# Altium PCB Nuio_Left_Keyboard_Rev_G.PcbDoc (part 1 of 3)
Units mil, origin at the board's own origin, x right, y up, seen from the top; angles counter-clockwise.
Board outline 3504.15 x 969.68 mil, 4 copper layers (Top Layer, GND1, GND2, Bottom Layer), stack 37.04 mil thick; 153 components, 101 nets, 597 pads, 397 vias.
Unrouted connection lines stored in the file: 1.
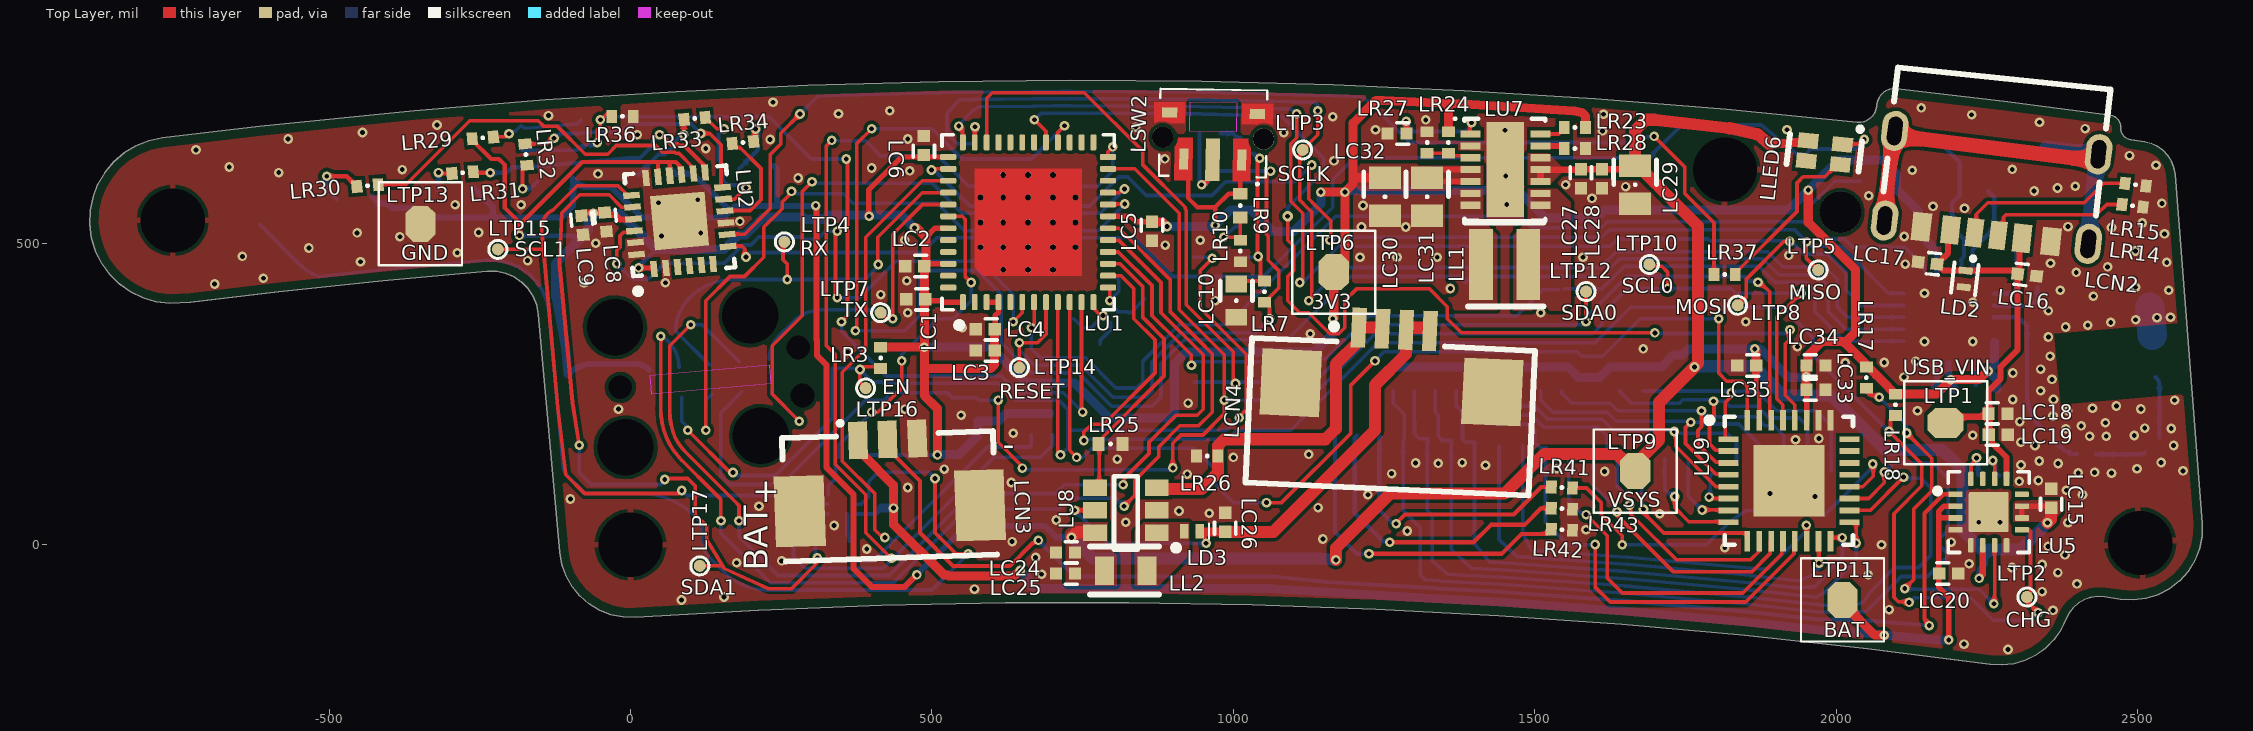
[diagram p0: Top Layer view]
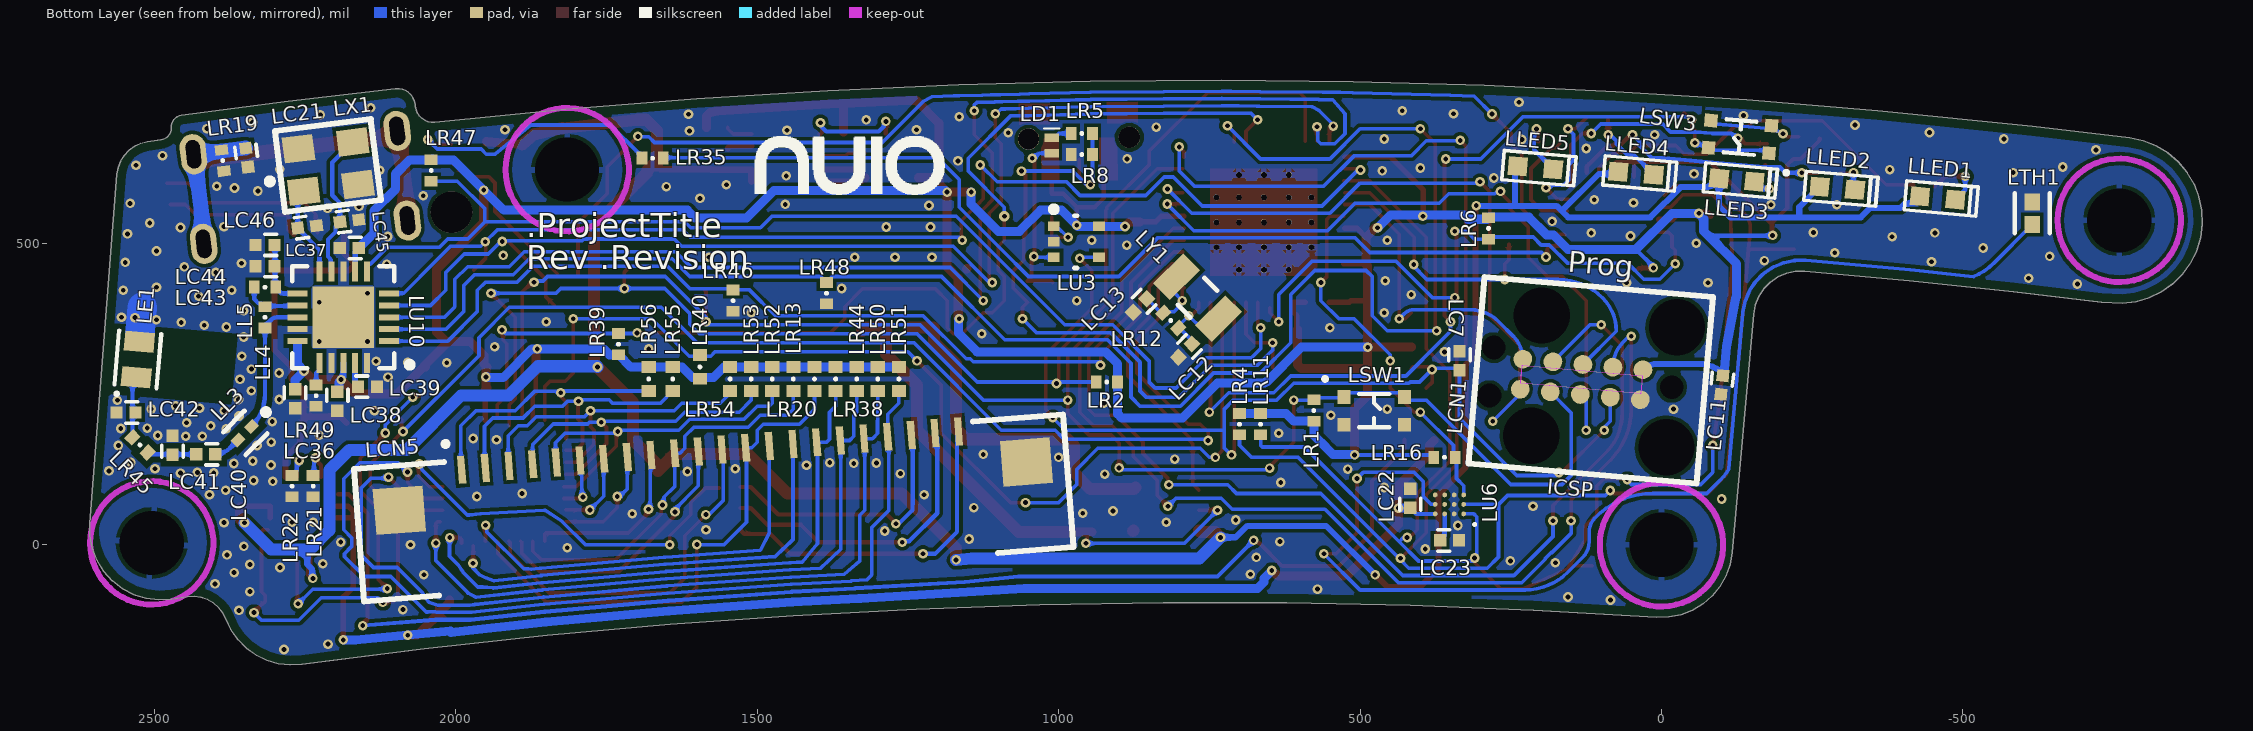
[diagram p1: Bottom Layer view, seen from below]
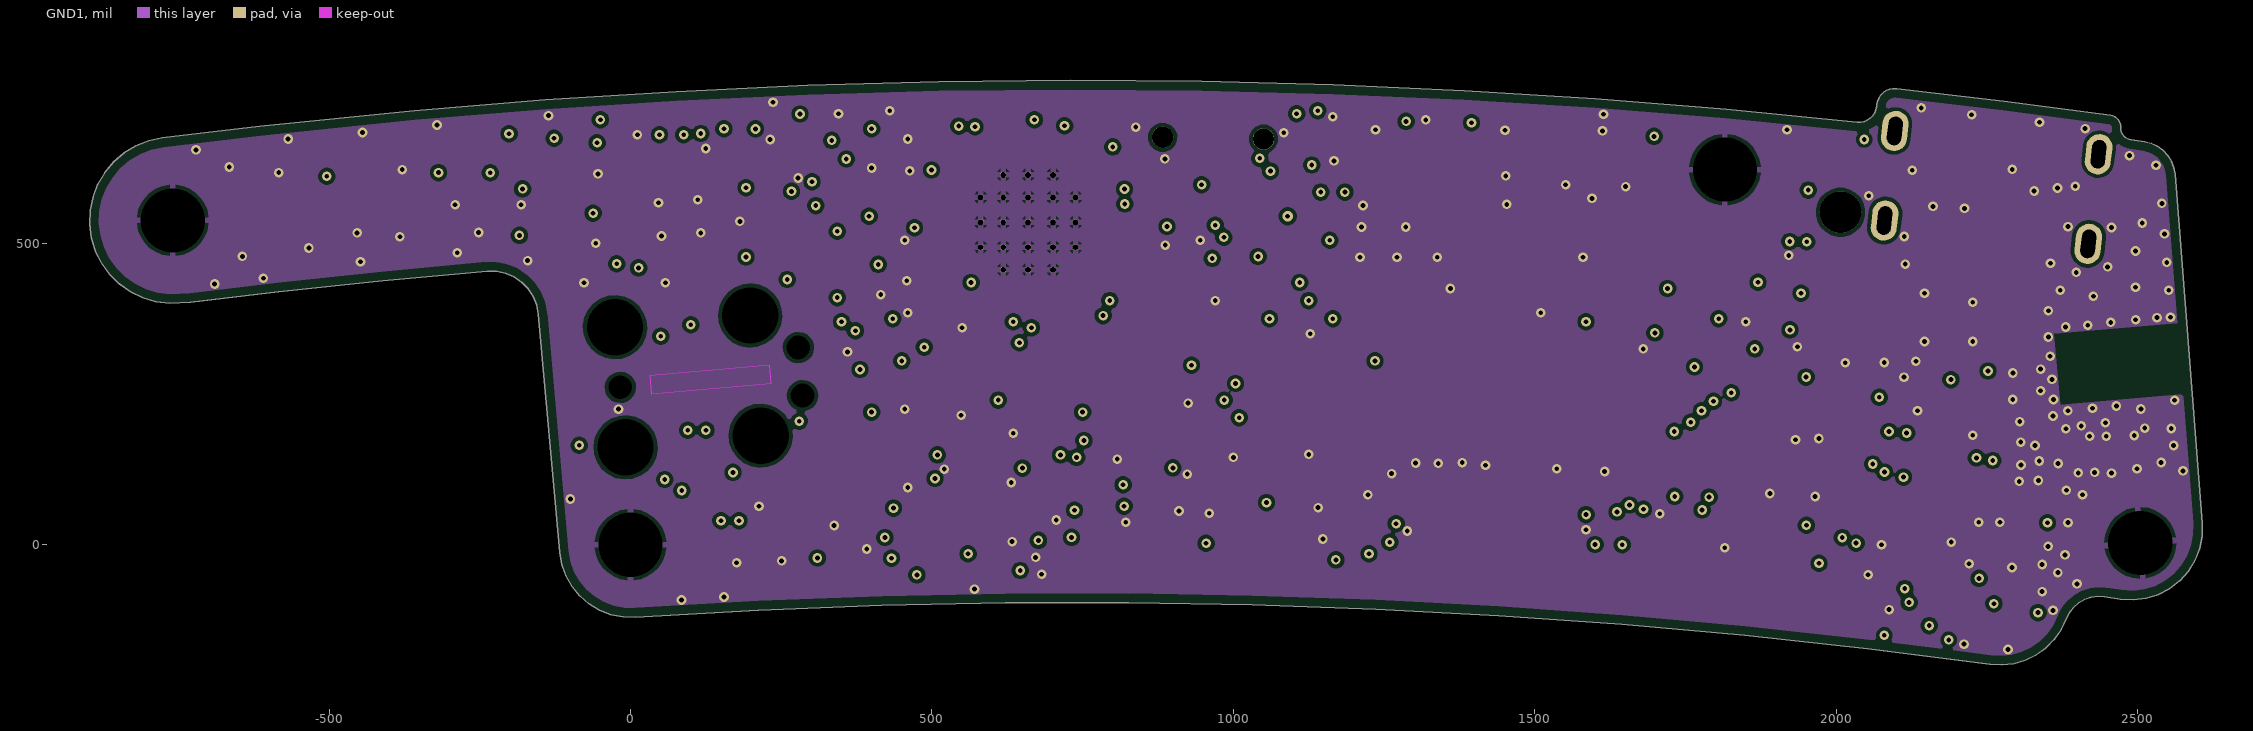
[diagram p2: GND1]
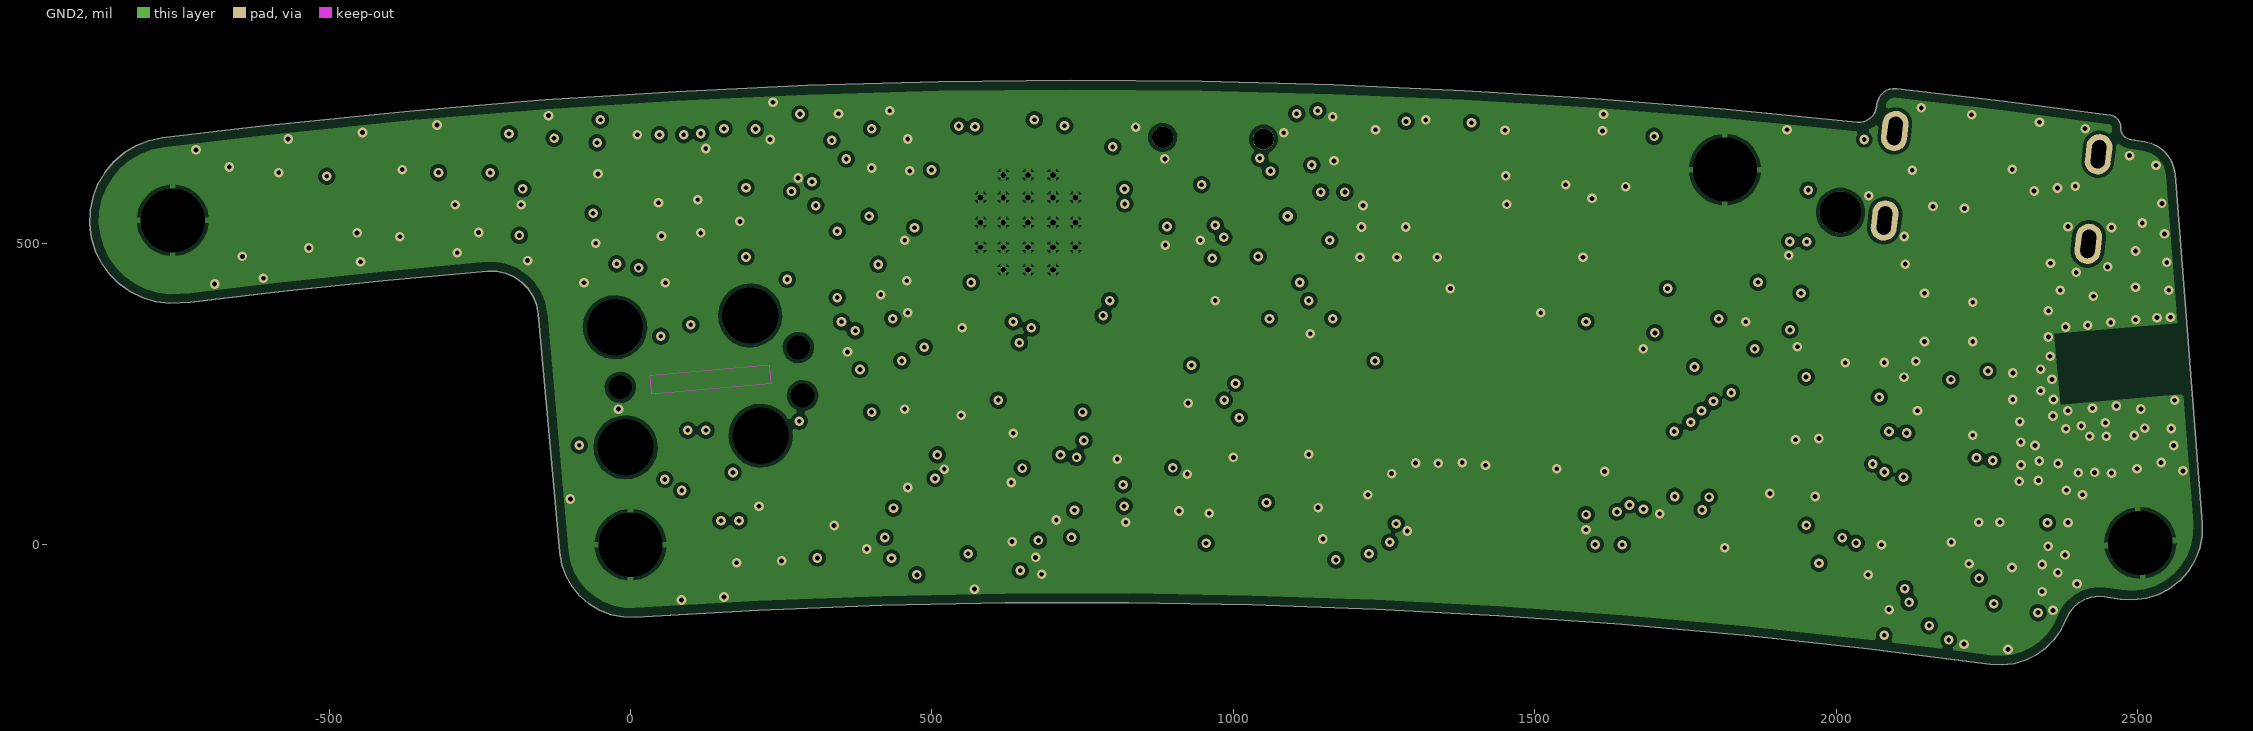
[diagram p3: GND2]

## Layer stack, top to bottom
Top Solder: solder mask 0.6, Solder Resist, Dk 3.8
Top Layer: signal copper 1.8
Dielectric 2: prepreg 4.12, 370HR - 106_76%, Dk 3.69
GND1: signal copper 0.6
Dielectric 1: dielectric 24, Core, Dk 4.6
GND2: signal copper 0.6
Dielectric 3: prepreg 4.12, 370HR - 106_76%, Dk 3.69
Bottom Layer: signal copper 1.8
Bottom Solder: solder mask 0.6, Solder Resist, Dk 3.8

## Board outline
-764.55,400.54 -729.91,402.09 -583.94,419.76 -410.94,438.07 -237.68,453.86 -222.32,453.62 -207.28,450.39 -193.15,444.33 -180.47,435.63 -169.72,424.65 -161.3,411.77 -155.55,397.48 -152.72,382.36 -117.44,-12.64 -113.94,-32.6 -107.01,-51.69 -96.97,-69.29 -84.06,-84.92 -68.62,-98.11 -51.18,-108.46 -32.24,-115.71 -12.32,-119.57 7.95,-120 212.36,-108.43 416.97,-100.55 621.69,-96.46 826.46,-96.1 1031.18,-99.49 1235.83,-106.65 1440.28,-117.52 1644.53,-132.13 1848.46,-150.47 2052.01,-172.56 2255.16,-198.35 2274.92,-199.37 2294.57,-197.05 2313.54,-191.49 2331.38,-182.87 2347.48,-171.38 2361.46,-157.36 2372.87,-141.22 2381.46,-123.38 2386.54,-113.15 2393.5,-104.09 2402.09,-96.53 2411.97,-90.75 2422.76,-87.01 2434.06,-85.43 2445.47,-86.02 2471.42,-90 2492.64,-91.3 2513.74,-88.82 2534.06,-82.6 2552.91,-72.83 2569.72,-59.84 2583.94,-44.05 2595.08,-25.98 2602.83,-6.18 2606.89,14.69 2607.16,35.91 2562.09,614.49 2560.12,625.67 2556.06,636.3 2550.04,645.91 2542.28,654.21 2533.07,660.87 2522.76,665.63 2511.69,668.35 2488.98,671.65 2485.47,672.48 2482.16,673.94 2479.17,675.99 2476.65,678.54 2474.61,681.5 2473.11,684.8 2472.28,688.31 2472.09,691.93 2471.93,695.55 2471.06,699.06 2469.61,702.36 2467.56,705.36 2465,707.88 2462.01,709.92 2458.7,711.38 2455.16,712.21 2277.8,735.79 2100.12,756.69 2094.33,756.73 2088.66,755.71 2083.31,753.54 2078.46,750.43 2074.33,746.38 2071.06,741.65 2068.74,736.34 2067.56,730.71 2067.13,727.01 2065.9,721.38 2063.62,716.1 2060.35,711.34 2056.22,707.32 2051.42,704.17 2046.06,702.05 2040.39,700.99 2034.61,701.02 1817.76,722.4 1600.55,739.84 1383.03,753.39 1165.31,762.95 947.48,768.62 729.57,770.32 511.65,768.11 293.82,761.97 76.14,751.85 -141.34,737.83 -358.54,719.88 -615.08,694 -776.87,674.91 -799.11,670.15 -820.29,661.8 -839.82,650.11 -857.11,635.31 -871.75,617.9 -883.37,598.3 -891.55,577.08 -896.12,554.79 -896.99,532.04 -894.11,509.48 -887.54,487.67 -877.46,467.27 -864.15,448.81 -848.01,432.79 -829.43,419.6 -808.96,409.68 -787.14,403.26

## Design rules (kind name [scope] priority, off if disabled: settings)
BoardOutlineClearance SilkScreenException [OnLayer('Top Overlay') + OnLayer('Bottom Overlay')] p1: gap=0 ignorepadtopadclearanceinfootprint=FALSE
BoardOutlineClearance [All] p2: gap=15 ignorepadtopadclearanceinfootprint=FALSE
Clearance PlugOfNailsException [HasFootprint('TC2050-IDC') vs OnLayer('Keep-Out Layer')] p1: gap=0 ignorepadtopadclearanceinfootprint=FALSE
Clearance AntennaClearance [InNetClass('S50') vs InNet('GND')] p2: gap=10 ignorepadtopadclearanceinfootprint=TRUE
Clearance [All] p3: gap=6 ignorepadtopadclearanceinfootprint=FALSE
ComponentClearance TestPointException [HasFootprint('Pogo-Testpoint')] p1: gap=0 collisioncheckmode=3 verticalgap=0 showdistances=FALSE
ComponentClearance ProgrammingHeaderException [HasFootprint('TC2050-IDC')] p2: gap=0 collisioncheckmode=3 verticalgap=0 showdistances=FALSE
ComponentClearance [All] p3: gap=4 collisioncheckmode=3 verticalgap=4 showdistances=FALSE
HoleSize [All] p1: absolutevalues=TRUE maxlimit=500 minlimit=1 maxpercent=80.000 minpercent=20.000
MinimumSolderMaskSliver [All] p1: minsoldermaskwidth=0
PolygonConnect GNDPolygons [InNet('GND')] p1: thpad.connectstyle=Relief thpad.reliefconductorwidth=10 thpad.reliefentries=4 thpad.polygonreliefangle="90 Angle" thpad.airgapwidth=6 smdpad.connectstyle=Direct smdpad.reliefconductorwidth=10 smdpad.reliefentries=4 smdpad.polygonreliefangle="90 Angle" smdpad.airgapwidth=10 via.connectstyle=Direct via.reliefconductorwidth=10 via.reliefentries=4 via.polygonreliefangle="90 Angle" via.airgapwidth=10
PolygonConnect PowerPolygons [InNetClass('power')] p2: connectstyle=Direct reliefconductorwidth=10 reliefentries=4 polygonreliefangle="90 Angle" airgapwidth=6
PolygonConnect [All] p3: thpad.connectstyle=Relief thpad.reliefconductorwidth=10 thpad.reliefentries=4 thpad.polygonreliefangle="90 Angle" thpad.airgapwidth=6 smdpad.connectstyle=Relief smdpad.reliefconductorwidth=10 smdpad.reliefentries=4 smdpad.polygonreliefangle="90 Angle" smdpad.airgapwidth=6 via.connectstyle=Direct via.reliefconductorwidth=10 via.reliefentries=4 via.polygonreliefangle="90 Angle" via.airgapwidth=10
ReturnPath [InNetClass('S50')] p1: impedanceprofileid={2F5DB331-C327-4743-8B4D-01656176F6E6} _gaplimit=0
RoutingVias [All] p1: holewidth=8 width=16 viastyle="Through Hole" minholewidth=8 minwidth=16 maxholewidth=28 maxwidth=50
SilkToSilkClearance TestPointExceptionSilk [HasFootprint('Pogo-Testpoint')] p1: silktosilkclearance=0
SilkToSilkClearance USBCExceptionSilk [HasFootprint('USB-TYPE-C AMPHENOL 12401598E4#2A')] p2: silktosilkclearance=0
SilkToSilkClearance PogoExceptionSilk [HasFootprint('TC2050-IDC')] p3: silktosilkclearance=0
SilkToSilkClearance [All] p4: silktosilkclearance=1
SilkToSolderMaskClearance TestPointExceptionMask [HasFootprint('Pogo-Testpoint')] p1: minsilkscreentomaskgap=0 clearancetoexposedcopper=TRUE
SilkToSolderMaskClearance USBCExceptionMask [HasFootprint('USB-TYPE-C AMPHENOL 12401598E4#2A')] p2: minsilkscreentomaskgap=0 clearancetoexposedcopper=TRUE
SilkToSolderMaskClearance PogoExceptionSolder [HasFootprint('TC2050-IDC')] p3: minsilkscreentomaskgap=0 clearancetoexposedcopper=TRUE
SilkToSolderMaskClearance [IsPad] p4: minsilkscreentomaskgap=1 clearancetoexposedcopper=TRUE
SolderMaskExpansion [All] p1: expansion=2 istentingtop=FALSE
SupplyNets "Schematic Supply Nets_4" [InNet('USB_VIN')] p1: voltage=0.000
SupplyNets "Schematic Supply Nets_3" [InNet('GND')] p2: voltage=0.000
SupplyNets "Schematic Supply Nets_2" [InNet('3V3')] p3: voltage=0.000
SupplyNets "Schematic Supply Nets_1" [InNet('VSYS')] p4: voltage=0.000
SupplyNets "Schematic Supply Nets" [InNet('VBAT')] p5: voltage=0.000
UnRoutedNet [All] p1: checkbadconnections=TRUE
ViasUnderSMD [All] p1: allowed=FALSE
Width S50 [InNetClass('S50')] p1: maxlimit=15.22 minlimit=6 preferedwidth=15.22 bottomlayer_minwidth=7 bottomlayer_maxwidth=7 bottomlayer_prefwidth=7 impedanceprofiledriven=TRUE impedanceprofileid={2F5DB331-C327-4743-8B4D-01656176F6E6} impedanceprofilevalue=50.000000 minimp=50.000000 maximp=50.000000 favimp=50.000000
Width [All] p2: maxlimit=78.74 minlimit=6 preferedwidth=7
24 further rules are at their usual default settings.

## Classes and differential pairs
component class Nuio_Left_Keyboard_Rev_G_KeyboardNRF: LC33 LC34 LC35 LC36 LC37 LC38 LC39 LC40 LC41 LC42 LC43 LC44 LC45 LC46 LCN5 LE1 LL3 LL4 LL5 LR13 LR20 LR38 LR39 LR40 LR41 LR42 LR43 LR44 LR45 LR46 LR47 LR48 LR49 LR50 LR51 LR52 LR53 LR54 LR55 LR56 LU9 LU10 LX1
component class Nuio_Left_Keyboard_Rev_G_UI: LLED1 LLED2 LLED3 LLED4 LLED5 LLED6 LR29 LR30 LR31 LR32 LR33 LR34 LR35 LR36 LR37 LSW3
component class Nuio_Left_Keyboard_Rev_G_Power: LC15 LC16 LC17 LC18 LC19 LC20 LC21 LC22 LC23 LC24 LC25 LC26 LC27 LC28 LC29 LC30 LC31 LC32 LCN2 LCN3 LCN4 LD2 LD3 LL1 LL2 LR14 LR15 LR16 LR17 LR18 LR19 LR21 LR22 LR23 LR24 LR25 LR26 LR27 LR28 LTH1 LU5 LU6 LU7 LU8
component class Nuio_Left_Keyboard_Rev_G_MCU: LC1 LC2 LC3 LC4 LC5 LC6 LC7 LC8 LC9 LC10 LC11 LC12 LC13 LCN1 LD1 LR1 LR2 LR3 LR4 LR5 LR6 LR7 LR8 LR9 LR10 LR11 LR12 LSW1 LSW2 LTP1 LTP2 LTP3 LTP4 LTP5 LTP6 LTP7 LTP8 LTP9 LTP10 LTP11 LTP12 LTP13 LTP14 LTP15 LTP16 LTP17 LU1 LU2 LU3 LY1
net class power: 3V3 NetLC26_1 NetLCN4_1 NetLD3_2 NetLL1_1 NetLL1_2 VBAT VSYS
net class S50: NetLC40_1 NetLC40_2 NetLL3_1

## Components (designator, comment, footprint, x,y, rotation, side; value= is the part's Value field where it differs from the comment)
LC1 "CAP CER 1UF 10V X5R 0402" CAPC0402(1005)_L 473.27,407.24 r180 top
LC2 "CAP CER 1UF 10V X5R 0402" CAPC0402(1005)_L 471.52,462.29 r180 top
LC3 "CAP CER 1UF 10V X5R 0402" CAPC0402(1005)_L 588.27,322.24 r180 top
LC4 "CAP CER 0.1UF 16V X5R 0402" CAPC0402(1005)_L 588.27,357.24 r180 top
LC5 "CAP CER 0.1UF 16V X5R 0402" CAPC0402(1005)_L 865,520 r270 top
LC6 "CAP CER 0.1UF 16V X5R 0402" CAPC0402(1005)_L 486.52,662.29 r90 top
LC7 "CAP CER 0.1UF 16V X5R 0402" CAPC0402(1005)_L 335,305 r270 bottom
LC8 "CAP CER 0.1UF 16V X5R 0402" CAPC0402(1005)_L -41.31,535.35 r275 top
LC9 "CAP CER 1UF 10V X5R 0402" CAPC0402(1005)_L -80,530 r275 top
LC10 "22uF" CAPC0603(1608)_L 1005,405 r270 top
LC11 "CAP CER 0.1UF 16V X5R 0402" CAPC0402(1005)_L -100,265 r276 bottom
LC12 "10pF" CAPC0402(1005)_L 790.07,322 r315 bottom
LC13 "10pF" CAPC0402(1005)_L 865.07,397 r315 bottom
LC15 "CAP CER 1UF 10V X5R 0402" CAPC0402(1005)_L 2356.52,77.29 r90 top
LC16 "CAP CER 1UF 10V X5R 0402" CAPC0402(1005)_L 2316.52,447.29 r353.5 top
LC17 "CAP CER 1UF 10V X5R 0402" CAPC0402(1005)_L 2151.52,467.29 r173.5 top
LC18 "CAP CER 1UF 10V X5R 0402" CAPC0402(1005)_L 2268.44,217.59 r0 top
LC19 "CAP CER 0.1UF 16V X5R 0402" CAPC0402(1005)_L 2268.78,182.75 r0 top
LC20 "4.7uF" CAPC0402(1005)_L 2186.52,-47.71 r0 top
LC21 "CAP CER 0.1UF 16V X5R 0402" CAPC0402(1005)_L 2346.52,642.29 r262.87 bottom
LC22 "CAP CER 1UF 10V X5R 0402" CAPC0402(1005)_L 416.77,76.92 r90 bottom
LC23 "CAP CER 2.2UF 10V X5R 0402" CAPC0402(1005)_L 351.52,7.29 r180 bottom
LC24 "CAP CER 2.2UF 10V X5R 0402" CAPC0402(1005)_L 721.52,-12.71 r180 top
LC25 "CAP CER 2.2UF 10V X5R 0402" CAPC0402(1005)_L 721.52,-47.71 r180 top
LC26 "2.2uF" CAPC0402(1005)_L 986.52,37.29 r90 top
LC27 "CAP CER 0.1UF 16V X5R 0402" CAPC0402(1005)_L 1576.52,607.29 r270 top
LC28 "CAP CER 1UF 10V X5R 0402" CAPC0402(1005)_L 1611.52,607.29 r270 top
LC29 "CAP CER 10UF 10V X7R 0805" CAPC0805(2012)_L 1666.52,597.29 r270 top
LC30 "CAP CER 10UF 10V X7R 0805" CAPC0805(2012)_L 1251.52,577.29 r270 top
LC31 "CAP CER 10UF 10V X7R 0805" CAPC0805(2012)_L 1321.52,577.29 r270 top
LC32 "CAP CER 0.1UF 16V X5R 0402" CAPC0402(1005)_L 1271.52,682.29 r180 top
LC33 "CAP CER 0.1UF 16V X5R 0402" CAPC0402(1005)_L 1966.52,257.29 r0 top
LC34 "CAP CER 1UF 10V X5R 0402" CAPC0402(1005)_L 1966.52,297.29 r0 top
LC35 "CAP CER 1UF 10V X5R 0402" CAPC0402(1005)_L 1851.52,297.29 r180 top
LC36 "CAP CER 0.1UF 16V X5R 0402" CAPC0402(1005)_L 2266.52,242.29 r270 bottom
LC37 "CAP CER 1UF 10V X5R 0402" CAPC0402(1005)_L 2176.52,492.29 r0 bottom
LC38 "CAP CER 1UF 10V X5R 0402" CAPC0402(1005)_L 2196.52,238.29 r270 bottom
LC39 "0.033uF" CAPC0402(1005)_L 2146.52,262.29 r180 bottom
LC40 "1.5pF" CAPC0402(1005)_L 2415,150 r0 bottom
LC41 "1pF" CAPC0402(1005)_L 2470,165 r90 bottom
LC42 "CAP CER 0.5PF 50V C0G/NP0 0402" CAPC0402(1005)_L 2546.98,219.35 r0 bottom
LC43 "2200pF" CAPC0402(1005)_L 2316.52,462.29 r0 bottom
LC44 "4.7pF" CAPC0402(1005)_L 2316.52,497.29 r0 bottom
LC45 "15pF" CAPC0402(1005)_L 2176.52,537.29 r172.87 bottom
LC46 "15pF" CAPC0402(1005)_L 2246.52,527.29 r172.87 bottom
LCN1 "TC2050-IDC" TC2050-IDC -16.92,261.1 r5 bottom locked
LCN2 "USB4125-GF-A" USB4125-GF-A 2248.85,515.36 r173.47 top
LCN3 "Molex 3x1 Picoblade R/A SMD" "Molex 3x1 Picoblade R_A SMD" 428.29,117.64 r181.91 top locked
LCN4 "FFC3B07-04-T" FFC3B07-04-T 1266.94,357.45 r357.37 top
LCN5 "F52R-1A7H1-11022" F52R-1A7H1-11022 1990.22,124.53 r175.58 bottom locked
LD1 "PMEG4010AESBYL" PMEG4010AESBYL-Footprint-1 1011.52,662.29 r270 bottom
LD2 "TPD1E05U06QDPYRQ1" FP-DPY0002A-MFG 2213.08,440.98 r263.5 top
LD3 "PMEG4010AESBYL" PMEG4010AESBYL-Footprint-1 931.52,22.29 r180 top
LE1 "ACAG0201-2450-T" ACAG0201-2450-T 2527.48,307.3 r95 bottom
LL1 "FIXED IND 2.2UH 2.83A 74MOHM SMD" "FIXED IND 2.2UH 2.83A 74MOHM SMD" 1450,465 r180 top
LL2 "FIXED IND 10UH 300MA 680MOHM SMD" "FIXED IND 10UH 300MA 680MOHM SMD" 821.52,-42.71 r0 top value=10uH
LL3 "FIXED IND 3.9NH 0402" FP-LQG15HH_02-IPC_C 2350,185 r315 bottom
LL4 "FIXED IND 8.2NH 550MA 240MOHM SM" Inductor0402(1005)_L 2316.52,377.29 r90 bottom
LL5 "FIXED IND 2.7NH 800MA 150MOHM SM" Inductor0402(1005)_L 2316.52,427.29 r180 bottom
LLED1 "LTST-C191KGKT" SM-LED-0603 -458.12,575.21 r5 bottom locked
LLED2 "LTST-C191KGKT" SM-LED-0603 -291.56,591.28 r5 bottom